# Altium PCB 01156.PcbDoc (part 1 of 3) (continued)
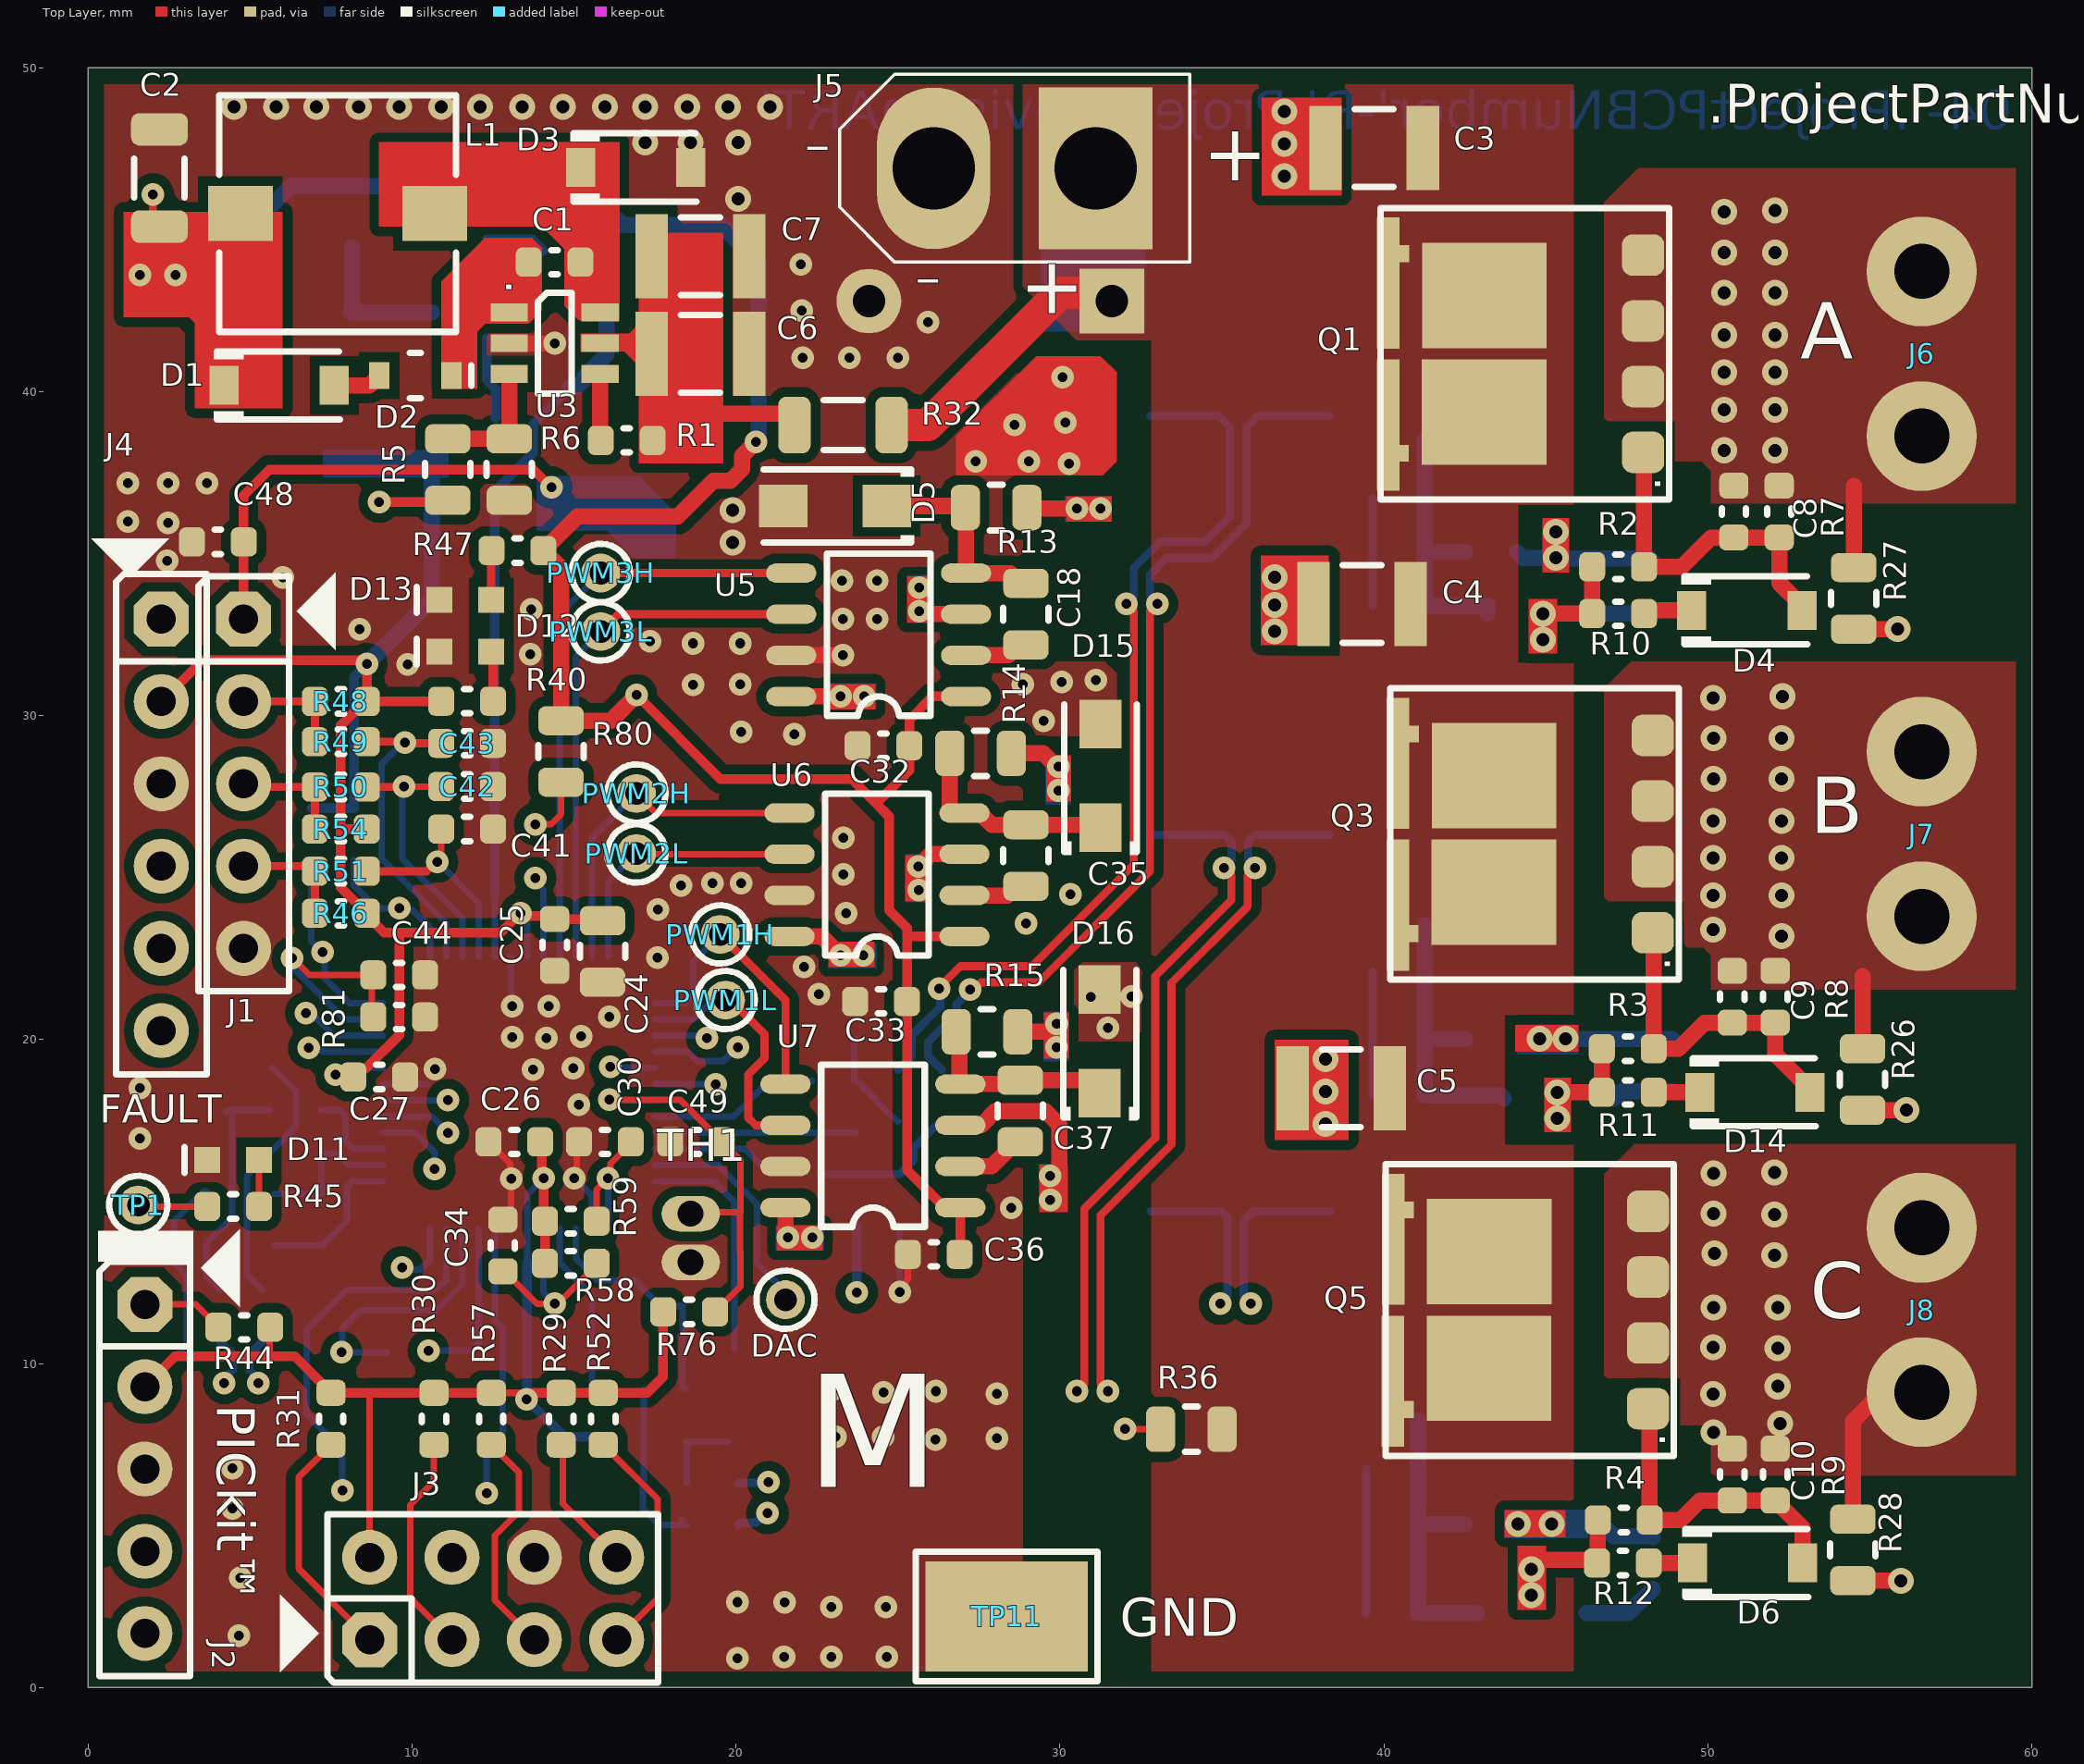
[diagram p0: Top Layer view]
## Design rules (kind name [scope] priority, off if disabled: settings)
AcuteAngle [All] p1: minimum=9.00000000000000E+0001 checktracksonly=TRUE
BoardOutlineClearance BoardOutlineClearance_Overlay [OnLayer('Top Overlay','Bottom Overlay')] p1: gap=0.2 ignorepadtopadclearanceinfootprint=FALSE
BoardOutlineClearance [All] p2: gap=0.5 ignorepadtopadclearanceinfootprint=FALSE
Clearance Clearance_1 [InNetClass('POWER')] p1: gap=0.5 ignorepadtopadclearanceinfootprint=TRUE except(0.4: SMDPad-SMDPad SMDPad-Fill SMDPad-Poly SMDPad-Region)
Clearance "Net to Polygon 0.5mm" [InNet('your net here') vs (IsRegion)] p2: gap=0.5 ignorepadtopadclearanceinfootprint=FALSE
Clearance "Poly 0.3mm" [(IsRegion)] p3: gap=0.3 ignorepadtopadclearanceinfootprint=FALSE
Clearance [All] p4: gap=0.25 ignorepadtopadclearanceinfootprint=TRUE
ComponentClearance ComponentClearance_ignore [HasFootprint('NET_TIE_0.5mm')] p1: gap=0 collisioncheckmode=3 verticalgap=0 showdistances=FALSE
ComponentClearance [All] p2: gap=0.2 collisioncheckmode=3 verticalgap=0.2 showdistances=FALSE
DiffPairsRouting [All] p1: maxlimit=0.25 minlimit=0.25 mostfreqgap=0.25 toplayer_minwidth=0.25 toplayer_maxwidth=0.25 toplayer_prefwidth=0.25 midlayer1_minwidth=0.25 midlayer1_maxwidth=0.25 midlayer1_prefwidth=0.25 midlayer2_minwidth=0.25 midlayer2_maxwidth=0.25 midlayer2_prefwidth=0.25 bottomlayer_minwidth=0.25 bottomlayer_maxwidth=0.25 bottomlayer_prefwidth=0.25 maxuncoupledlength=12.7
FabricationTestPointUsage TestPointUsage [All] p1: valid=0 allowmultiple=FALSE
FabricationTestpoint Testpoint [All] p1: side=3 testpointundercomponent=TRUE minsize=1.016 maxsize=2.54 preferedsize=1.524 minholesize=0 maxholesize=1.016 preferedholesize=0.813 testpointgrid=0.025 allowsidetop=TRUE allowsidebottom=TRUE usegrid=TRUE gridtolerance=0
HoleSize [All] p1: absolutevalues=TRUE maxlimit=6 minlimit=0.25 maxpercent=80.000 minpercent=20.000
HoleToHoleClearance [All] p1: gap=0.3 allowstackedmicrovias=FALSE
MinimumAnnularRing [All] p1: minimumring=0.15
MinimumSolderMaskSliver [All] p1: minsoldermaskwidth=0.1
PasteMaskExpansion PasteMaskExpansion_DNP [IsPad AND HasCompParameterValue('Populated','DNP')] p1: expansion=-5
PasteMaskExpansion [All] p2: expansion=0
PlaneClearance PlaneClearance_pads [IsPad] p1: clearance=0.3
PlaneClearance PlaneClearance_drill [IsObjectKind('Hole')] p2: clearance=0.4
PlaneConnect PlaneConnect_full [IsVia] p1: planeconnectstyle=Direct reliefexpansion=0.5 reliefentries=4 reliefconductorwidth=0.3 reliefairgap=0.3
PlaneConnect [All] p2: planeconnectstyle=Relief reliefexpansion=0.3 reliefentries=4 reliefconductorwidth=0.25 reliefairgap=0.25
PolygonConnect PolygonConnect_0.7 [IsNamedPolygon('0.7mm') vs (InPadClass('All Pads'))] p1: connectstyle=Direct reliefconductorwidth=0.7 reliefentries=4 polygonreliefangle="90 Angle" airgapwidth=0.25
PolygonConnect PolygonConnect_0.5 [IsNamedPolygon('0.5mm') vs (InPadClass('All Pads'))] p2: connectstyle=Direct reliefconductorwidth=0.5 reliefentries=4 polygonreliefangle="90 Angle" airgapwidth=0.25
PolygonConnect PolygonConnect_full [All vs IsVia or IsNamedPolygon('full')] p3: connectstyle=Direct reliefconductorwidth=0 reliefentries=4 polygonreliefangle="90 Angle" airgapwidth=0.254
PolygonConnect [All] p4: connectstyle=Direct reliefconductorwidth=0.3 reliefentries=4 polygonreliefangle="90 Angle" airgapwidth=0.25
RoutingCorners [All] p1: cornerstyle=45-Degree minsetback=2.5 maxsetback=2.5
RoutingVias [All] p1: holewidth=0.4 width=0.8 viastyle="Through Hole" minholewidth=0.3 minwidth=0.7 maxholewidth=1.6 maxwidth=2.5
SMDToCorner [All] p1: distance=39370
ShortCircuit [IsNet] p1: allowed=FALSE
SilkToSilkClearance [All] p1: silktosilkclearance=0.15
SilkToSolderMaskClearance SilkscreenOverComponentPads [IsPad] p1: minsilkscreentomaskgap=0.2 clearancetoexposedcopper=TRUE
SolderMaskExpansion SolderMaskExpansion_Component_Via [IsComponentVia] p1: expansion=0.075 istentingtop=FALSE soldermaskfromhole=TRUE
SolderMaskExpansion [All] p2: expansion=0.1 istentingtop=FALSE
UnRoutedNet [All] p1: checkbadconnections=TRUE
ViasUnderSMD [All] p1: allowed=FALSE
Width [All] p1: maxlimit=7 minlimit=0.2 preferedwidth=0.25
15 further rules are at their usual default settings.

## Classes and differential pairs
differential pair CS3: +CS3_P -CS3_N
differential pair CS2: +CS2_P -CS2_N
differential pair CS1: +CS1_P -CS1_N

## Components (designator, comment, footprint, x,y, rotation, side; value= is the part's Value field where it differs from the comment)
C1 "Capacitor NP" CAP_C_0603 14.4,44 r180 top value=0.1uF
C2 "Capacitor NP" CAP_C_1206 2.2,46.6 r90 top value=22uF
C3 "Capacitor NP" CAP_C_1210 39.7,47.525 r0 top value=2.2uF
C4 "Capacitor NP" CAP_C_1210 39.325,33.45 r0 top value=2.2uF
C5 "Capacitor NP" CAP_C_1210 38.675,18.5 r0 top value=2.2uF
C6 "Capacitor NP" CAP_C_1210 18.9,41.175 r180 top value=4.7uF
C7 "Capacitor NP" CAP_C_1210 18.9,44.19 r180 top value=4.7uF
C8 "Capacitor NP" CAP_C_0603 50.8,36.3 r270 top value=1000pF
C9 "Capacitor NP" CAP_C_0603 50.75,21.325 r270 top value=1000pF
C10 "Capacitor NP" CAP_C_0603 50.75,6.575 r270 top value=1000pF
C11 "Capacitor NP" CAP_C_0805 10.6,41.5 r90 bottom value=1uF
C12 "Capacitor NP" CAP_C_0805 10.6,38.3 r270 bottom value=4.7uF
C13 "Capacitor NP" CAP_C_0603 40.45,35.05 r0 bottom value=1000pF
C14 "Capacitor NP" CAP_C_0603 40.45,20.025 r0 bottom value=1000pF
C15 "Capacitor NP" CAP_C_0603 40.25,5.05 r0 bottom value=1000pF
C16 "Capacitor NP" CAP_C_0603 11.85,9.6 r90 bottom value=1000pF
C17 "Capacitor NP" CAP_C_0603 8.65,7.34 r180 bottom value=1000pF
C18 "Capacitor NP" CAP_C_0805 28.95,33.135 r270 top value=0.22uF
C19 "Capacitor NP" CAP_C_0603 11.5,7.3 r0 bottom value=0.1uF
C20 "Capacitor NP" CAP_C_0603 22.9,20.025 r180 bottom value=1000pF
C21 "Capacitor NP" CAP_C_0603 21.05,17.925 r90 bottom value=22pF
C22 "Capacitor NP" CAP_C_0603 25.05,15.05 r90 bottom value=1000pF
C23 "Capacitor NP" CAP_C_0603 5.675,19.925 r90 bottom value=1000pF
C24 "Capacitor NP" CAP_C_0805 15.875,22.725 r90 top value=1uF
C25 "Capacitor NP" CAP_C_0603 14.4,22.925 r90 top value=0.1uF
C26 "Capacitor NP" CAP_C_0603 13.15,16.847 r0 top value=0.1uF
C27 "Capacitor NP" CAP_C_0603 8.985,18.85 r180 top value=0.1uF
C28 "Capacitor NP" CAP_C_0603 7.185,14.45 r270 bottom value=22pF
C29 "Capacitor NP" CAP_C_0603 4.25,18.571 r270 bottom value=1000pF
C30 "Capacitor NP" CAP_C_0603 15.95,16.847 r0 top value=0.1uF
C31 "Capacitor NP" CAP_C_0603 19.75,8.4 r90 bottom value=1000pF
C32 "Capacitor NP" CAP_C_0603 24.55,29.075 r0 top value=0.1uF
C33 "Capacitor NP" CAP_C_0603 24.475,21.182 r0 top value=0.1uF
C34 "Capacitor NP" CAP_C_0603 12.8,13.65 r270 top value=0.1uF
C35 "Capacitor NP" CAP_C_0805 28.95,25.688 r270 top value=0.22uF
C36 "Capacitor NP" CAP_C_0603 26.104,13.375 r0 top value=0.1uF
C37 "Capacitor NP" CAP_C_0805 28.775,17.797 r270 top value=0.22uF
C38 "Capacitor NP" CAP_C_0603 9.222,9.55 r90 bottom value=1000pF
C39 "Capacitor NP" CAP_C_0603 19.15,10.475 r0 bottom value=22pF
C40 "Capacitor NP" CAP_C_0603 16.325,6.325 r0 bottom value=1000pF
C41 "Capacitor NP" CAP_C_0603 11.7,26.5 r180 top value=4700pF
C42 "Capacitor NP" CAP_C_0603 11.7,27.815 r180 top value=4700pF
C43 "Capacitor NP" CAP_C_0603 11.7,29.15 r180 top value=4700pF
C44 "Capacitor NP" CAP_C_0603 9.6,22 r180 top value=0.1uF
C45 "Capacitor NP" CAP_C_0805 18.8,41.2 r180 bottom value=1uF
C46 "Capacitor NP" CAP_C_0805 17.75,34.275 r90 bottom value=4.7uF
C48 "Capacitor NP" CAP_C_0603 4.007,35.365 r180 top value=0.1uF
C49 "Capacitor NP" CAP_C_0603 18.771,16.847 r180 top value=0.1uF
D1 "Diode Zener" SOD-123 5.9,40.2 r180 top value=7.5V
D2 "Diode Single" SOD-323 10.1,40.5 r0 top value=1N4148
D3 "Diode Schottky" SOD-123 16.9,46.925 r180 top value=BAT41
D4 "Diode Schottky" SOD-123 51.2,33.25 r180 top value=1N5819HW-7-F
D5 "Diode Schottky" SOD-123FL 23.05,36.475 r0 top value=SL110PL
D6 "Diode Schottky" SOD-123 51.225,3.85 r180 top value=1N5819HW-7-F
D7 "Diode Schottky" SOD-123 44.9,33.15 r0 bottom value=1N5819HW-7-F
D8 "Diode Schottky" SOD-123 45.4,18.173 r0 bottom value=1N5819HW-7-F
D9 "Diode Schottky" SOD-123 44.55,2.3 r0 bottom value=1N5819HW-7-F
D11 "LED_red" LED_0603_RED 4.473,16.293 r180 top value=RED
D12 "LED_green" LED_0603_GREEN 11.643,31.983 r180 top value=GREEN
D13 "LED_green" LED_0603_GREEN 11.643,33.575 r180 top value=GREEN
D14 "Diode Schottky" SOD-123 51.45,18.375 r180 top value=1N5819HW-7-F
D15 "Diode Schottky" SOD-123FL 31.25,28.15 r270 top value=SL110PL
D16 "Diode Schottky" SOD-123FL 31.225,19.95 r270 top value=SL110PL
DAC "DAC" TP_1.2x0.7 21.525,11.975 r0 top value="TP PAD PCB 1.2x0.7"
J1 "Header 1x5" HDR_M_2.54_1x5 4.8,27.9 r270 top value="HDR-2.54 Male 1x5"
J2 "Header 1x5" HDR_M_2.54_1x5 1.75,6.75 r270 top value="HDR-2.54 Male 1x5"
J3 "Header 2x4" HDR_M_2.54_2x4 12.5,2.75 r0 top value="HDR-2.54 Male 2x4"
J4 "Header 1x6" HDR_M_2.54_1x6 2.26,26.63 r270 top value="HDR-2.54 Male 1x6"
J5 "CON 1x2 POLARIZED" "CON TERMINAL XT30U-M 5mm 1x2 Male 30A TH V" 28.6,46.9 r180 top value="XT30U-M 1x2"
J6 "Header 1x1" CON_M_1x1_5.08_QC_TAB_SPADE_0.250_V 56.6,41.175 r90 top value="TERMINAL 1x1"
J7 "Header 1x1" CON_M_1x1_5.08_QC_TAB_SPADE_0.250_V 56.6,26.35 r90 top value="TERMINAL 1x1"
J8 "Header 1x1" CON_M_1x1_5.08_QC_TAB_SPADE_0.250_V 56.6,11.657 r270 top value="TERMINAL 1x1"
L1 "Inductor" IND_WE_WE-PD_L7.3W7.3H4.5 7.7,45.5 r270 top value=56uH
PWM1H "Test Point No BOM" TP_1.2x0.7 19.513,23.25 r0 top value="TP PAD PCB 1.2x0.7"
PWM1L "Test Point No BOM" TP_1.2x0.7 19.675,21.225 r0 top value="TP PAD PCB 1.2x0.7"
PWM2H "Test Point No BOM" TP_1.2x0.7 16.925,27.6 r0 top value="TP PAD PCB 1.2x0.7"
PWM2L "Test Point No BOM" TP_1.2x0.7 16.925,25.749 r0 top value="TP PAD PCB 1.2x0.7"
PWM3H "Test Point No BOM" TP_1.2x0.7 15.825,34.405 r0 top value="TP PAD PCB 1.2x0.7"
PWM3L "Test Point No BOM" TP_1.2x0.7 15.825,32.6 r0 top value="TP PAD PCB 1.2x0.7"
Q1 "Transistor MOS-N GSSSD" PPAK_SO-8L_8x8_ALTERNATE#1 45.4,41.175 r90 top value=SQJQ466E
Q2 "Transistor MOS-N GSSSD" PPAK_SO-8L_8x8_ALTERNATE#2 43.85,41.525 r90 bottom value=SQJQ466E
Q3 "Transistor MOS-N GSSSD" PPAK_SO-8L_8x8_ALTERNATE#1 45.7,26.35 r90 top value=SQJQ466E
Q4 "Transistor MOS-N GSSSD" PPAK_SO-8L_8x8_ALTERNATE#2 43.8,26.575 r90 bottom value=SQJQ466E
Q5 "Transistor MOS-N GSSSD" PPAK_SO-8L_8x8_ALTERNATE#1 45.55,11.657 r90 top value=SQJQ466E
Q6 "Transistor MOS-N GSSSD" PPAK_SO-8L_8x8_ALTERNATE#2 43.65,11.364 r90 bottom value=SQJQ466E
Q7 "Transistor MOS-P GSD" SOT-23-3 15.2,45.3 r90 bottom value=DMP3099
Q8 "Transistor MOS-N GSD" SOT-23-3 13.728,39.2 r270 bottom value=2N7002-G
R1 "Resistor" RES_C_0603 16.625,38.5 r0 top value=100k
R2 "Resistor" RES_C_0603 47.225,34.6 r0 top value=10R
R3 "Resistor" RES_C_0603 47.525,19.725 r0 top value=10R
R4 "Resistor" RES_C_0603 47.4,5.175 r0 top value=10R
R5 "Resistor" RES_C_0805 11.1,37.6 r90 top value=140k
R6 "Resistor" RES_C_0805 13,37.6 r270 top value=10k
R7 "Resistor" RES_C_0603 52.2,36.3 r270 top value=47k
R8 "Resistor" RES_C_0603 52.075,21.325 r270 top value=47k
R9 "Resistor" RES_C_0603 52.075,6.575 r270 top value=47k
R10 "Resistor" RES_C_0603 47.225,33.15 r0 top value=10R
R11 "Resistor" RES_C_0603 47.525,18.375 r0 top value=10R
R12 "Resistor" RES_C_0603 47.375,3.85 r0 top value=10R
R13 "Resistor" RES_C_0805 28.025,36.425 r0 top value=2.2R
R14 "Resistor" RES_C_0805 27.55,28.839 r0 top value=2.2R
R15 "Resistor" RES_C_0805 27.75,20.243 r0 top value=2.2R
R16 "Resistor" RES_C_0805 8.15,45.4 r270 bottom value=3.3R
R17 "Resistor" RES_C_0603 43.3,35.05 r180 bottom value=10R
R18 "Resistor" RES_C_0603 43.3,20.025 r180 bottom value=10R
R19 "Resistor" RES_C_0603 43.3,5.05 r180 bottom value=10R
R20 "Resistor" RES_C_0603 40.45,33.4 r0 bottom value=47k
R21 "Resistor" RES_C_0603 40.45,18.3 r0 bottom value=47k
R22 "Resistor" RES_C_0603 40.245,2.3 r0 bottom value=47k
R23 "Resistor" RES_C_0603 48.3,33.955 r270 bottom value=10R
R24 "Resistor" RES_C_0603 48.9,19.208 r270 bottom value=10R
R25 "Resistor" RES_C_0603 48.3,3.85 r270 bottom value=10R
R26 "Resistor" RES_C_0805 54.775,18.775 r90 top value=39k
R27 "Resistor" RES_C_0805 54.5,33.625 r90 top value=39k
R28 "Resistor" RES_C_0805 54.475,4.25 r90 top value=39k
R29 "Resistor" RES_C_0603 14.6,8.3 r90 top value=4.7k
R30 "Resistor" RES_C_0603 10.675,8.3 r90 top value=4.7k
R31 "Resistor" RES_C_0603 7.5,8.3 r90 top value=4.7k
R32 "Resistor" RES_C_1206 23.3,38.975 r0 top value=0R
R33 "Resistor" RES_C_0603 7.842,9.55 r90 bottom value=2.4k
R34 "Resistor" RES_C_0603 10.5,9.6 r90 bottom value=2.4k
R35 "Resistor" RES_C_0603 8.65,6.09 r180 bottom value=2.4k
R36 "Resistor" RES_C_0805 34.05,7.975 r0 top value=36k
R37 "Resistor" RES_C_0603 11.5,5.95 r0 bottom value=2.4k
R38 "Resistor" RES_C_0603 23.725,15.05 r90 bottom value=13k
R39 "Resistor" RES_C_0603 23.675,17.925 r90 bottom value=390R
R40 "Resistor" RES_C_0603 11.7,30.449 r180 top value=2.61k
R41 "Resistor" RES_C_0603 21.8,15.85 r0 bottom value=390R
R42 "Resistor" RES_C_0603 26.35,18.275 r90 bottom value=510R
R43 "Resistor" RES_C_0603 22.35,17.925 r90 bottom value=11k
R44 "Resistor" RES_C_0603 4.822,11.123 r0 top value=10k
R45 "Resistor" RES_C_0603 4.476,14.85 r180 top value=2.61k
R46 "Resistor" RES_C_0603 7.8,23.9 r0 top value=2.2k
R47 "Resistor" RES_C_0603 13.25,35.1 r0 top value=20k
R48 "Resistor" RES_C_0603 7.8,30.44 r0 top value=2.2k
R49 "Resistor" RES_C_0603 7.8,29.2 r0 top value=2.2k
R50 "Resistor" RES_C_0603 7.8,27.8 r0 top value=2.2k
R51 "Resistor" RES_C_0603 7.8,25.2 r0 top value=2.2k
R52 "Resistor" RES_C_0603 15.9,8.3 r90 top value=4.7k
R53 "Resistor" RES_C_0603 25,18.275 r90 bottom value=510R
R54 "Resistor" RES_C_0603 7.8,26.5 r0 top value=2.2k
R57 "Resistor" RES_C_0603 12.443,8.3 r90 top value=4.7k
R58 "Resistor" RES_C_0603 14.9,13.1 r180 top value=4.7k
R59 "Resistor" RES_C_0603 14.9,14.4 r180 top value=3.3R
R60 "Shunt 4 Pin" RES_C_2512_SHUNT_Metal 35.575,14.7 r0 bottom value=0.002R
R61 "Shunt 4 Pin" RES_C_2512_SHUNT_Metal 35.55,26.322 r0 bottom value=0.002R
R62 "Shunt 4 Pin" RES_C_2512_SHUNT_Metal 35.55,39.25 r0 bottom value=0.002R
R63 "Resistor" RES_C_0603 5.76,14.45 r270 bottom value=11k
R64 "Resistor" RES_C_0603 3.65,14.514 r270 bottom value=13k
R65 "Resistor" RES_C_0603 6.4,16.5 r180 bottom value=390R
R66 "Resistor" RES_C_0603 5.375,11.475 r270 bottom value=510R
R67 "Resistor" RES_C_0603 6.4,17.825 r180 bottom value=390R
R68 "Resistor" RES_C_0603 4.071,11.475 r270 bottom value=510R
R69 "Resistor" RES_C_0603 19.15,11.775 r0 bottom value=11k
R70 "Resistor" RES_C_0603 16.35,7.75 r0 bottom value=13k
R71 "Resistor" RES_C_0603 18.45,8.4 r270 bottom value=390R
R72 "Resistor" RES_C_0603 19.275,6.325 r0 bottom value=510R
R73 "Resistor" RES_C_0603 16.35,9.2 r0 bottom value=390R
R74 "Resistor" RES_C_0603 19.275,5.025 r0 bottom value=510R
R75 "Resistor" RES_C_0805 18.35,44.2 r270 bottom value=3.3R
R76 "Resistor" RES_C_0603 18.55,11.6 r180 top value=3.3k
R77 "Resistor" RES_C_0603 12.3,45.5 r90 bottom value=10k
R78 "Resistor" RES_C_0603 6.891,26.35 r90 bottom value=10k
R79 "Resistor" RES_C_0603 8.203,26.35 r90 bottom value=10k
R80 "Resistor" RES_C_0805 14.6,28.9 r90 top value=36k
R81 "Resistor" RES_C_0603 9.6,20.7 r180 top value=7.5k
R82 "Resistor" RES_C_0603 12.3,42.45 r90 bottom value=1.2k
R83 "Resistor" RES_C_0603 15.2,42.6 r0 bottom value=10k
TH1 "Thermistor NTC" Thermistor_Wired_P1.5 18.6,13.878 r90 top value=10k
TP1 "FAULT" TP_1.2x0.7 1.55,14.9 r0 top value="TP PAD PCB 1.2x0.7"
TP11 "Test Point No BOM" TP_3.4x5_SMD_NOBOM 28.35,2.2 r0 top
U1 "dsPIC33CK32MP105" TQFP-48_7X7 13.3,18.375 r180 bottom
U2 "MCP1754ST-5002ECB SOT-23A-3" SOT-23A-3 17.8,38.05 r180 bottom value=MCP1754S-5V
U3 "MCP16331 SOT-23-6" SOT-23-6 14.4,41.5 r270 top value=MCP16331
U4 "MCP1754S SOT-89-3_SOT-223-3" SOT-223-3 5.2,40.15 r270 bottom value=MCP1754S/3.3V
U5 "MIC4104 SOIC-8" SOIC-8 24.4,32.5 r180 top value=MIC4104
U6 "MIC4104 SOIC-8" SOIC-8 24.35,25.094 r180 top value=MIC4104
U7 "MIC4104 SOIC-8" SOIC-8 24.225,16.725 r180 top value=MIC4104

## Footprints (in the part's own frame and the unit in brackets; to place one, negate y for a bottom-side part, rotate by r counter-clockwise, add the part's x,y. Pads: shape width x height; smd on the part's side, far side on the other; paste and mask are expansions set on the pad)
CAP_C_0603 [mm] "Chip Capacitor, 2-Leads, Body 1.6x0.8mm, IPC Medium Density"
  rrect50% 0.8x0.9 smd: 1(-0.8,0) 2(0.8,0)
  silkscreen extent -0.1,-0.38 0.1,0.37, body extent -0.8,-0.4 0.8,0.4, height 0.3
CAP_C_0805 [mm] "Chip Capacitor, 2-Leads, Body 2.0x1.3mm, IPC Medium Density"
  rrect50% 0.9x1.4 smd: 1(-0.95,0) 2(0.95,0)
  silkscreen extent -0.2,-0.7 0.2,0.7, body extent -1,-0.62 1,0.63, height 0.78
CAP_C_1206 [mm] "Chip Capacitor, 2-Leads, Body 3.2x1.6mm, IPC Medium Density"
  rrect50% 1x1.75 smd: 1(-1.5,0) 2(1.5,0)
  silkscreen extent -0.6,-0.77 0.6,0.78, body extent -1.6,-0.8 1.6,0.8, height 1
CAP_C_1210 [mm] "Chip Capacitor, 2-Leads, Body 3.2x2.5mm, IPC Medium Density"
  rect 1x2.6 smd: 1(-1.5,0) 2(1.5,0)
  silkscreen extent -0.6,-1.2 0.6,1.2, body extent -1.6,-1.25 1.6,1.25, height 0.95
"CON TERMINAL XT30U-M 5mm 1x2 Male 30A TH V" [mm]
  rect 3.5x5 hole 2.54: 1(-2.5,0)
  oval 3.5x5 hole 2.54: 2(2.5,0)
  silkscreen extent -5.4,-2.9 5.4,2.9, body extent -5.1,-2.39 5.1,2.81, height 9.4
CON_M_1x1_5.08_QC_TAB_SPADE_0.250_V [mm]
  round 3.4 hole 1.7: 1(-2.54,0) 1(2.54,0)
  body extent -4,-0.4 4,0.4, height 10.5
HDR_M_2.54_1x5 [mm] "Header Male Vertical 5 Way 2.54mm Pitch"
  oct 1.7x1.7 hole 0.9: 1(-5.08,0)
  round 1.7 hole 0.9: 2(-2.54,0) 3(0,0) 4(2.54,0) 5(5.08,0)
  silkscreen extent -6.4,-1.4 6.4,1.4, body extent -6.33,-1.27 6.37,1.27, height 8.4
HDR_M_2.54_1x6 [mm] "Header Male Vertical 6 Way 2.54mm Pitch"
  oct 1.7x1.7 hole 0.9: 1(-6.35,0)
  round 1.7 hole 0.9: 2(-3.81,0) 3(-1.27,0) 4(1.27,0) 5(3.81,0) 6(6.35,0)
  silkscreen extent -7.75,-1.4 7.7,1.4, body extent -7.62,-1.27 7.62,1.27, height 8.38
HDR_M_2.54_2x4 [mm] "Header Male Vertical 2x8 Way 2.54mm Pitch"
  oct 1.7x1.7 hole 0.9: 1(-3.81,-1.27)
  round 1.7 hole 0.9: 2(-3.81,1.27) 3(-1.27,-1.27) 4(-1.27,1.27) 5(1.27,-1.27) 6(1.27,1.27) 7(3.81,-1.27) 8(3.81,1.27)
  silkscreen extent -5.11,-2.6 5.1,2.6, body extent -5.06,-2.6 5.1,2.48, height 5.94
IND_WE_WE-PD_L7.3W7.3H4.5 [mm]
  rect 1.7x2 smd: 1(0,-3) 2(0,3)
  silkscreen extent -3.65,-3.65 3.65,3.65, body extent -3.65,-3.65 3.65,3.65, height 4.11
LED_0603_GREEN [mm] "LED chip 0603"
  rect 0.8x0.8 smd: 1(-0.8,0) 2(0.8,0)
  silkscreen extent 1.5,-0.4 1.5,0.4, body extent -0.81,-0.4 0.81,0.4, height 0.6
LED_0603_RED [mm] "LED chip 0603"
  rect 0.8x0.8 smd: 1(-0.8,0) 2(0.8,0)
  silkscreen extent 1.5,-0.4 1.5,0.4, body extent -0.81,-0.4 0.81,0.4, height 0.6
PPAK_SO-8L_8x8_ALTERNATE#1 [mm]
  rrect50% 1.28x1.3 smd mask+0.075: 1(-3.045,-2.6) 2(-1.015,-2.6) 3(1.015,-2.6) 4(3.045,-2.6)
  rect 0.52x0.3 smd paste-1 mask+0.075: 5(-3.071,4.78) 5(3.088,4.772)
  rect 4.05x0.7 smd paste-10 mask+0.075: 5(-2.199,5.273) 5(2.181,5.265)
  rect 3.95x0.65 on Top Paste: 5(-2.199,5.273) 5(2.181,5.265)
  rect 3.06x1.55 on Top Paste: 5(-1.8,3.3) 5(-1.8,1.3) 5(1.8,3.3) 5(1.8,1.3)
  rect 3.25x3.85 smd paste-10 mask+0.075: 5(-1.8,2.309) 5(1.8,2.3)
  silkscreen extent -4.5,-3.4 4.5,5.5, body extent -3.96,-2.85 3.94,5.15, height 1.6
PPAK_SO-8L_8x8_ALTERNATE#2 [mm]
  rrect50% 1.28x1.3 smd mask+0.075: 1(-3.045,-2.6) 2(-1.015,-2.6) 3(1.015,-2.6) 4(3.045,-2.6)
  rect 0.52x0.3 smd paste-1 mask+0.075: 5(-3.071,4.78) 5(3.088,4.772)
  rect 4.05x0.7 smd paste-10 mask+0.075: 5(-2.199,5.273) 5(2.181,5.265)
  rect 3.95x0.65 on Bottom Paste: 5(-2.199,5.273) 5(2.181,5.265)
  rect 3.06x1.55 on Bottom Paste: 5(-1.8,1.3) 5(-1.8,3.3) 5(1.8,1.3) 5(1.8,3.3)
  rect 3.25x3.85 smd paste-10 mask+0.075: 5(-1.8,2.309) 5(1.8,2.3)
  silkscreen extent -4.5,-3.4 4.5,5.5, body extent -3.96,-2.85 3.94,5.15, height 1.6
RES_C_0603 [mm] "Chip Resistor, 2-Leads, Body 1.6x0.8mm, IPC Medium Density"
  rrect50% 0.8x0.9 smd: 1(-0.8,0) 2(0.8,0)
  silkscreen extent -0.1,-0.38 0.1,0.38, body extent -0.8,-0.4 0.8,0.4, height 0.3
RES_C_0805 [mm] "Chip Resistor, 2-Leads, Body 2.0x1.3mm, IPC Medium Density"
  rrect50% 0.9x1.4 smd: 1(-0.95,0) 2(0.95,0)
  silkscreen extent -0.2,-0.7 0.2,0.7, body extent -1,-0.63 1,0.63, height 0.78
RES_C_1206 [mm] "Chip Resistor, 2-Leads, Body 3.2x1.6mm, IPC Medium Density"
  rrect50% 1x1.75 smd: 1(-1.5,0) 2(1.5,0)
  silkscreen extent -0.6,-0.77 0.6,0.78, body extent -1.6,-0.8 1.6,0.8, height 1
RES_C_2512_SHUNT_Metal [mm] "Metal Foil Current Sensing Chip Resistor, 2-Leads, Body 6.35x3.18mm, IPC Medium Density"
  rect 1.7x1.25 smd mask+0.075: 1(-2.775,-1.125) 1(-2.775,1.125) 2(2.775,-1.125) 2(2.775,1.125)
  rect 1.7x0.5 smd mask+0.075: 3(-2.775,0) 4(2.775,0)
  silkscreen extent -1.55,-1.75 1.55,1.75, body extent -3.23,-1.55 3.12,1.62, height 1.09
SOD-123 [mm] "Diode SOD-123 Body L=2.85, W= 1.8"
  rect 0.9x1.2 smd: 1(-1.7,0) 2(1.7,0)
  silkscreen extent -1.88,-1.05 2.02,1.05, body extent -1.93,-0.85 1.93,0.85, height 1.43
SOD-123FL [mm]
  rect 1.5x1.3 smd: 1(-1.6,0) 2(1.6,0)
  silkscreen extent -2.2,-1.15 2.45,1.15, body extent -1.79,-0.82 1.79,0.82, height 0.94
SOD-323 [mm] "Molded Diode, 2-Leads, Body 1.8x1.4mm, IPC Medium Density"
  rect 0.63x0.83 smd: 1(-1.115,0) 2(1.115,0)
  silkscreen extent -0.18,-0.7 1.73,0.7, body extent -1.3,-0.68 1.3,0.67, height 1.1
SOIC-8 [mm] "SOIC, 8-Leads, Overall 4.9x6mm, Pitch 1.27mm, IPC Medium Density"
  oval 1.55x0.6 smd: 1(-2.7,1.905) 2(-2.7,0.635) 3(-2.7,-0.635) 4(-2.7,-1.905) 5(2.7,-1.905) 6(2.7,-0.635) 7(2.7,0.635) 8(2.7,1.905)
  silkscreen extent -1.6,-2.5 1.6,2.5, body extent -3.01,-2.5 3.01,2.5, height 1.75
SOT-23-3 [mm]
  rect 1x1.4 smd: 1(-0.95,-1.15) 2(0.95,-1.15) 3(0,1.15)
  silkscreen extent -1.6,-0.8 1.6,0.9, body extent -1.5,-1.25 1.5,1.25, height 1.09
SOT-23-6 [mm] "SOT-23-6"
  rect 0.55x1.15 smd: 1(-0.95,-1.4) 2(0,-1.4) 3(0.95,-1.4) 4(0.95,1.4) 5(0,1.4) 6(-0.95,1.4)
  silkscreen extent -1.55,-0.52 1.55,0.53, body extent -1.5,-1.48 1.5,1.52, height 1.5
SOT-23A-3 [mm]
  rect 0.6x1 smd: 1(-0.95,-1.35) 2(0.95,-1.35) 3(0,1.35)
  silkscreen extent -1.52,-0.65 1.52,0.62, body extent -1.5,-1.25 1.5,1.25, height 1.09
SOT-223-3 [mm] "SOT223-3, 4-Leads, Body 6.7x7.3mm (max), Pitch 2.30mm, IPC Medium Density"
  rect 0.95x2.4 smd: 1(-2.3,-2.9) 2(0,-2.9) 3(2.3,-2.9)
  rect 3.3x2.4 smd: 2(0,2.9)
  silkscreen extent -3.45,-3.03 3.35,1.3, body extent -3.3,-3.55 3.4,3.65, height 1.85
Thermistor_Wired_P1.5 [mm]
  oval 1.1x1.8 hole 0.8: 1(-0.75,0) 2(0.75,0)
TP_1.2x0.7 [mm] "Test Point round, diam=1.2mm, drill=0.7mm"
  round 1.2 hole 0.7: 1(0,0)
  silkscreen extent -0.9,-0.9 0.9,0.9, body extent -0.25,-0.25 0.25,0.25
TP_3.4x5_SMD_NOBOM [mm]
  rect 5x3.4 smd mask+0.075: 1(0,0)
  silkscreen extent -2.8,-2 2.8,2, body extent -0.5,-0.5 0.5,0.5
TQFP-48_7X7 [mm] "TSQFP, 48-Leads, Body 7x7mm (max), Pitch 0.50mm, IPC Medium Density"
  rrect50% 1.5x0.3 smd paste-0.025 mask+0.05: 1(-4.2,2.75) 2(-4.2,2.25) 3(-4.2,1.75) 4(-4.2,1.25) 5(-4.2,0.75) 6(-4.2,0.25) 7(-4.2,-0.25) 8(-4.2,-0.75) 9(-4.2,-1.25) 10(-4.2,-1.75) 11(-4.2,-2.25) 12(-4.2,-2.75) 25(4.2,-2.75) 26(4.2,-2.25) 27(4.2,-1.75) 28(4.2,-1.25) 29(4.2,-0.75) 30(4.2,-0.25) 31(4.2,0.25) 32(4.2,0.75) 33(4.2,1.25) 34(4.2,1.75) 35(4.2,2.25) 36(4.2,2.75)
  rrect50% 0.3x1.5 smd paste-0.025 mask+0.05: 13(-2.75,-4.2) 14(-2.25,-4.2) 15(-1.75,-4.2) 16(-1.25,-4.2) 17(-0.75,-4.2) 18(-0.25,-4.2) 19(0.25,-4.2) 20(0.75,-4.2) 21(1.25,-4.2) 22(1.75,-4.2) 23(2.25,-4.2) 24(2.75,-4.2) 37(2.75,4.2) 38(2.25,4.2) 39(1.75,4.2) 40(1.25,4.2) 41(0.75,4.2) 42(0.25,4.2) 43(-0.25,4.2) 44(-0.75,4.2) 45(-1.25,4.2) 46(-1.75,4.2) 47(-2.25,4.2) 48(-2.75,4.2)
  silkscreen extent -3.7,-3.7 3.7,3.7, body extent -4.51,-4.51 4.51,4.51, height 1.1

## Part data
C1 C19 C25 C26 C27 C30 C32 C33 C34 C36 C44 C48 C49: library part CAP2016, "Capacitor", Manufacturer 1="AVX Corporation", Manufacturer Part Number 1=06035C104K4Z4A, Operating Temperature="-55°C ~ 125°C", Package=0603, Supplier Part Number 1=478-10679-1-ND, Temperature Coeffcient=X7R, Tolerance=10%, Voltage=50V, Category=Capacitor, ComponentLink1Description="SVN Datasheet", ComponentLink1URL=https://chn-vm-apps.microchip.com/mchprepo/parts/Datasheets/FlexitermMLCC.pdf, ComponentLink2Description="Local Datasheet", ComponentLink2URL=C:\ALTIUM_WORK\00001_MCHP-CDB\Datasheets\FlexitermMLCC.pdf, ComponentLink3Description="Open Symbol", ComponentLink3URL="C:\ALTIUM_WORK\00001_MCHP-CDB\Library\LibraryRefs\Capacitor NP.SchLib", ComponentLink4Description="Open Footprint", ComponentLink4URL=C:\ALTIUM_WORK\00001_MCHP-CDB\Library\Footprints\CAP_C_0603.PcbLib, ComponentLink5Description="Open Footprint 2", ComponentLink6Description="Open Footprint 3", ComponentLink7Description="Open Footprint 4", Description_="CAP CER 0.1uF 50V 10% X7R AEC-Q200 SMD 0603", Dev Tools Status=Design, MCHP-ID=CAP2016, Owner="Sam Charles", Populated=YES, Quantity Override=1, Revision=A, Status="MCL Design", Supplier 1=Digi-Key, Symbol="Capacitor NP", Type=Ceramic
C2: library part CAP1579, "Capacitor", Manufacturer 1="Murata Electronics North America                                                                               Murata Electronics North America", Manufacturer Part Number 1=GRM31CR61E226KE15L, Operating Temperature="-55°C to +85°C", Package=1206, Supplier Part Number 1=490-5527-1-ND, Tolerance=10%, Voltage=25V, Category=Capacitor, ComponentLink1Description="SVN Datasheet", ComponentLink1URL=https://chn-vm-apps.microchip.com/mchprepo/parts/Datasheets/c02e.pdf, ComponentLink2Description="Local Datasheet", ComponentLink2URL=C:\ALTIUM_WORK\00001_MCHP-CDB\Datasheets\c02e.pdf, ComponentLink3Description="Open Symbol", ComponentLink3URL="C:\ALTIUM_WORK\00001_MCHP-CDB\Library\LibraryRefs\Capacitor NP.SchLib", ComponentLink4Description="Open Footprint", ComponentLink4URL=C:\ALTIUM_WORK\00001_MCHP-CDB\Library\Footprints\CAP_C_1206.PcbLib, ComponentLink5Description="Open Footprint 2", ComponentLink6Description="Open Footprint 3", ComponentLink7Description="Open Footprint 4", Description_="CAP CER 22uF 25V 10% X5R SMD 1206", Dev Tools Status=Production, MCHP-ID=CAP1579, Owner="Jose Garcia", Populated=YES, Quantity Override=1, Revision=2, Status="MCL Design", Supplier 1=Digi-Key, Symbol="Capacitor NP", Type=Ceramic
C3 C4 C5: library part CAP1121, "Capacitor", Manufacturer 1="AVX Corporation", Manufacturer 2=KEMET, Manufacturer Part Number 1=12101C225KAT2A, Manufacturer Part Number 2=C1210C225K1RACTU, Operating Temperature="-55C to +125C", Package=1210, Supplier Part Number 1=478-7974-1-ND, Temperature Coeffcient=X7R, Tolerance=10%, Voltage=100V, Category=Capacitor, ComponentLink1Description="SVN Datasheet", ComponentLink1URL=https://chn-vm-apps.microchip.com/mchprepo/parts/Datasheets/X7RDielectric.pdf, ComponentLink2Description="Local Datasheet", ComponentLink2URL=C:\ALTIUM_WORK\00001_MCHP-CDB\Datasheets\X7RDielectric.pdf, ComponentLink3Description="Open Symbol", ComponentLink3URL="C:\ALTIUM_WORK\00001_MCHP-CDB\Library\LibraryRefs\Capacitor NP.SchLib", ComponentLink4Description="Open Footprint", ComponentLink4URL=C:\ALTIUM_WORK\00001_MCHP-CDB\Library\Footprints\CAP_C_1210.PcbLib, ComponentLink5Description="Open Footprint 2", ComponentLink6Description="Open Footprint 3", ComponentLink7Description="Open Footprint 4", Description_="CAP CER 2.2uF 100V 10% X7R SMD 1210", Dev Tools Status=Production, MCHP-ID=CAP1121, Owner="Mihai T(M91442)", Populated=YES, Quantity Override=1, Revision=0, Status="MCL Design", Supplier 1=Digi-Key, Supplier 2=Digi-Key, Supplier 3=Farnell, Supplier Part Number 2=399-5511-1-ND, Supplier Part Number 3=1793832, Symbol="Capacitor NP", Type=Ceramic
C6 C7: library part CAP1988, "Capacitor", Manufacturer 1="Taiyo Yuden", Manufacturer Part Number 1=HMK325C7475KMHPE, Operating Temperature="-55C to +125C", Package=1210, Supplier Part Number 1=587-5037-1-ND, Temperature Coeffcient=X7S, Tolerance=10%, Voltage=100V, Category=Capacitor, ComponentLink1Description="SVN Datasheet", ComponentLink1URL=https://chn-vm-apps.microchip.com/mchprepo/parts/Datasheets/HMK325C7475KMHPE_SS.pdf, ComponentLink2Description="Local Datasheet", ComponentLink2URL=C:\ALTIUM_WORK\00001_MCHP-CDB\Datasheets\HMK325C7475KMHPE_SS.pdf, ComponentLink3Description="Open Symbol", ComponentLink3URL="C:\ALTIUM_WORK\00001_MCHP-CDB\Library\LibraryRefs\Capacitor NP.SchLib", ComponentLink4Description="Open Footprint", ComponentLink4URL=C:\ALTIUM_WORK\00001_MCHP-CDB\Library\Footprints\CAP_C_1210.PcbLib, ComponentLink5Description="Open Footprint 2", ComponentLink6Description="Open Footprint 3", ComponentLink7Description="Open Footprint 4", Description_="CAP CER 4.7uF 100V 10% X7S SMD 1210 AEC-Q200", Dev Tools Status=Production, MCHP-ID=CAP1988, Owner="Cristian Papuc", Populated=YES, Quantity Override=1, Revision=1, Status="MCL Design", Supplier 1=Digi-Key, Symbol="Capacitor NP", Type=Ceramic
C8 C9 C10 C13 C14 C15: library part CAP2035, Manufacturer 1="TDK Corporation", Manufacturer Part Number 1=CGA3E2X7R1H102K080AA, Operating Temperature="-55°C - 125°C", Package=0603, Supplier Part Number 1=445-5659-1-ND, Temperature Coeffcient=X7R, Tolerance=10%, Voltage=50V, Category=Capacitor, ComponentLink1Description="SVN Datasheet", ComponentLink1URL=https://chn-vm-apps.microchip.com/mchprepo/parts/Datasheets/mlcc_automotive_general_en.pdf, ComponentLink2Description="Local Datasheet", ComponentLink2URL=C:\ALTIUM_WORK\00001_MCHP-CDB\Datasheets\mlcc_automotive_general_en.pdf, ComponentLink3Description="Open Symbol", ComponentLink3URL="C:\ALTIUM_WORK\00001_MCHP-CDB\Library\LibraryRefs\Capacitor NP.SchLib", ComponentLink4Description="Open Footprint", ComponentLink4URL=C:\ALTIUM_WORK\00001_MCHP-CDB\Library\Footprints\CAP_C_0603.PcbLib, ComponentLink5Description="Open Footprint 2", ComponentLink6Description="Open Footprint 3", ComponentLink7Description="Open Footprint 4", Description_="CAP CER 1000pF 10% 50V X7R SMD 0603 AEC-Q200", Dev Tools Status=Design, MCHP-ID=CAP2035, Owner="Gabor Bihari", Populated=YES, Quantity Override=1, Revision=1, Status="MCL Design", Supplier 1=Digi-Key, Symbol="Capacitor NP", Type=Ceramic
C11 C24 C45: library part CAP1211, "Capacitor", Manufacturer 1=AVX, Manufacturer 2=KEMET, Manufacturer 3="TDK Corporation", Manufacturer Part Number 1=08053C105K4Z2A, Manufacturer Part Number 2=C0805C105K3RACTU, Manufacturer Part Number 3=C2012X7R1E105K125AB, Operating Temperature="-55C to +125C", Package=0805, Supplier Part Number 1=478-6357-2-ND, Temperature Coeffcient=X7R, Tolerance=10%, Voltage=25V, Category=Capacitor, ComponentLink1Description="SVN Datasheet", ComponentLink1URL=https://chn-vm-apps.microchip.com/mchprepo/parts/Datasheets/flexiterm.pdf, ComponentLink2Description="Local Datasheet", ComponentLink2URL=C:\ALTIUM_WORK\00001_MCHP-CDB\Datasheets\flexiterm.pdf, ComponentLink3Description="Open Symbol", ComponentLink3URL="C:\ALTIUM_WORK\00001_MCHP-CDB\Library\LibraryRefs\Capacitor NP.SchLib", ComponentLink4Description="Open Footprint", ComponentLink4URL=C:\ALTIUM_WORK\00001_MCHP-CDB\Library\Footprints\CAP_C_0805.PcbLib, ComponentLink5Description="Open Footprint 2", ComponentLink6Description="Open Footprint 3", ComponentLink7Description="Open Footprint 4", Description_="CAP CER 1uF 25V 10% X7R SMD 0805", Dev Tools Status=Production, MCHP-ID=CAP1211, Owner="Tad Ahlvers", Populated=YES, Quantity Override=1, Revision=1, Status="MCL Design", Supplier 1=Digi-Key, Supplier 2=Digi-Key, Supplier 3=Digi-Key, Supplier Part Number 2=C0805C105K3RACTU-ND, Supplier Part Number 3=445-1354-1-ND, Symbol="Capacitor NP", Type=Ceramic